# Altium PCB eBox.PcbDoc (part 1 of 4)
Units mm, origin at the board's own origin, x right, y up, seen from the top; angles counter-clockwise.
Board outline 250 x 200 mm, 2 copper layers (Top Layer, Bottom Layer), stack 1.58 mm thick; 518 components, 309 nets, 1482 pads, 776 vias.
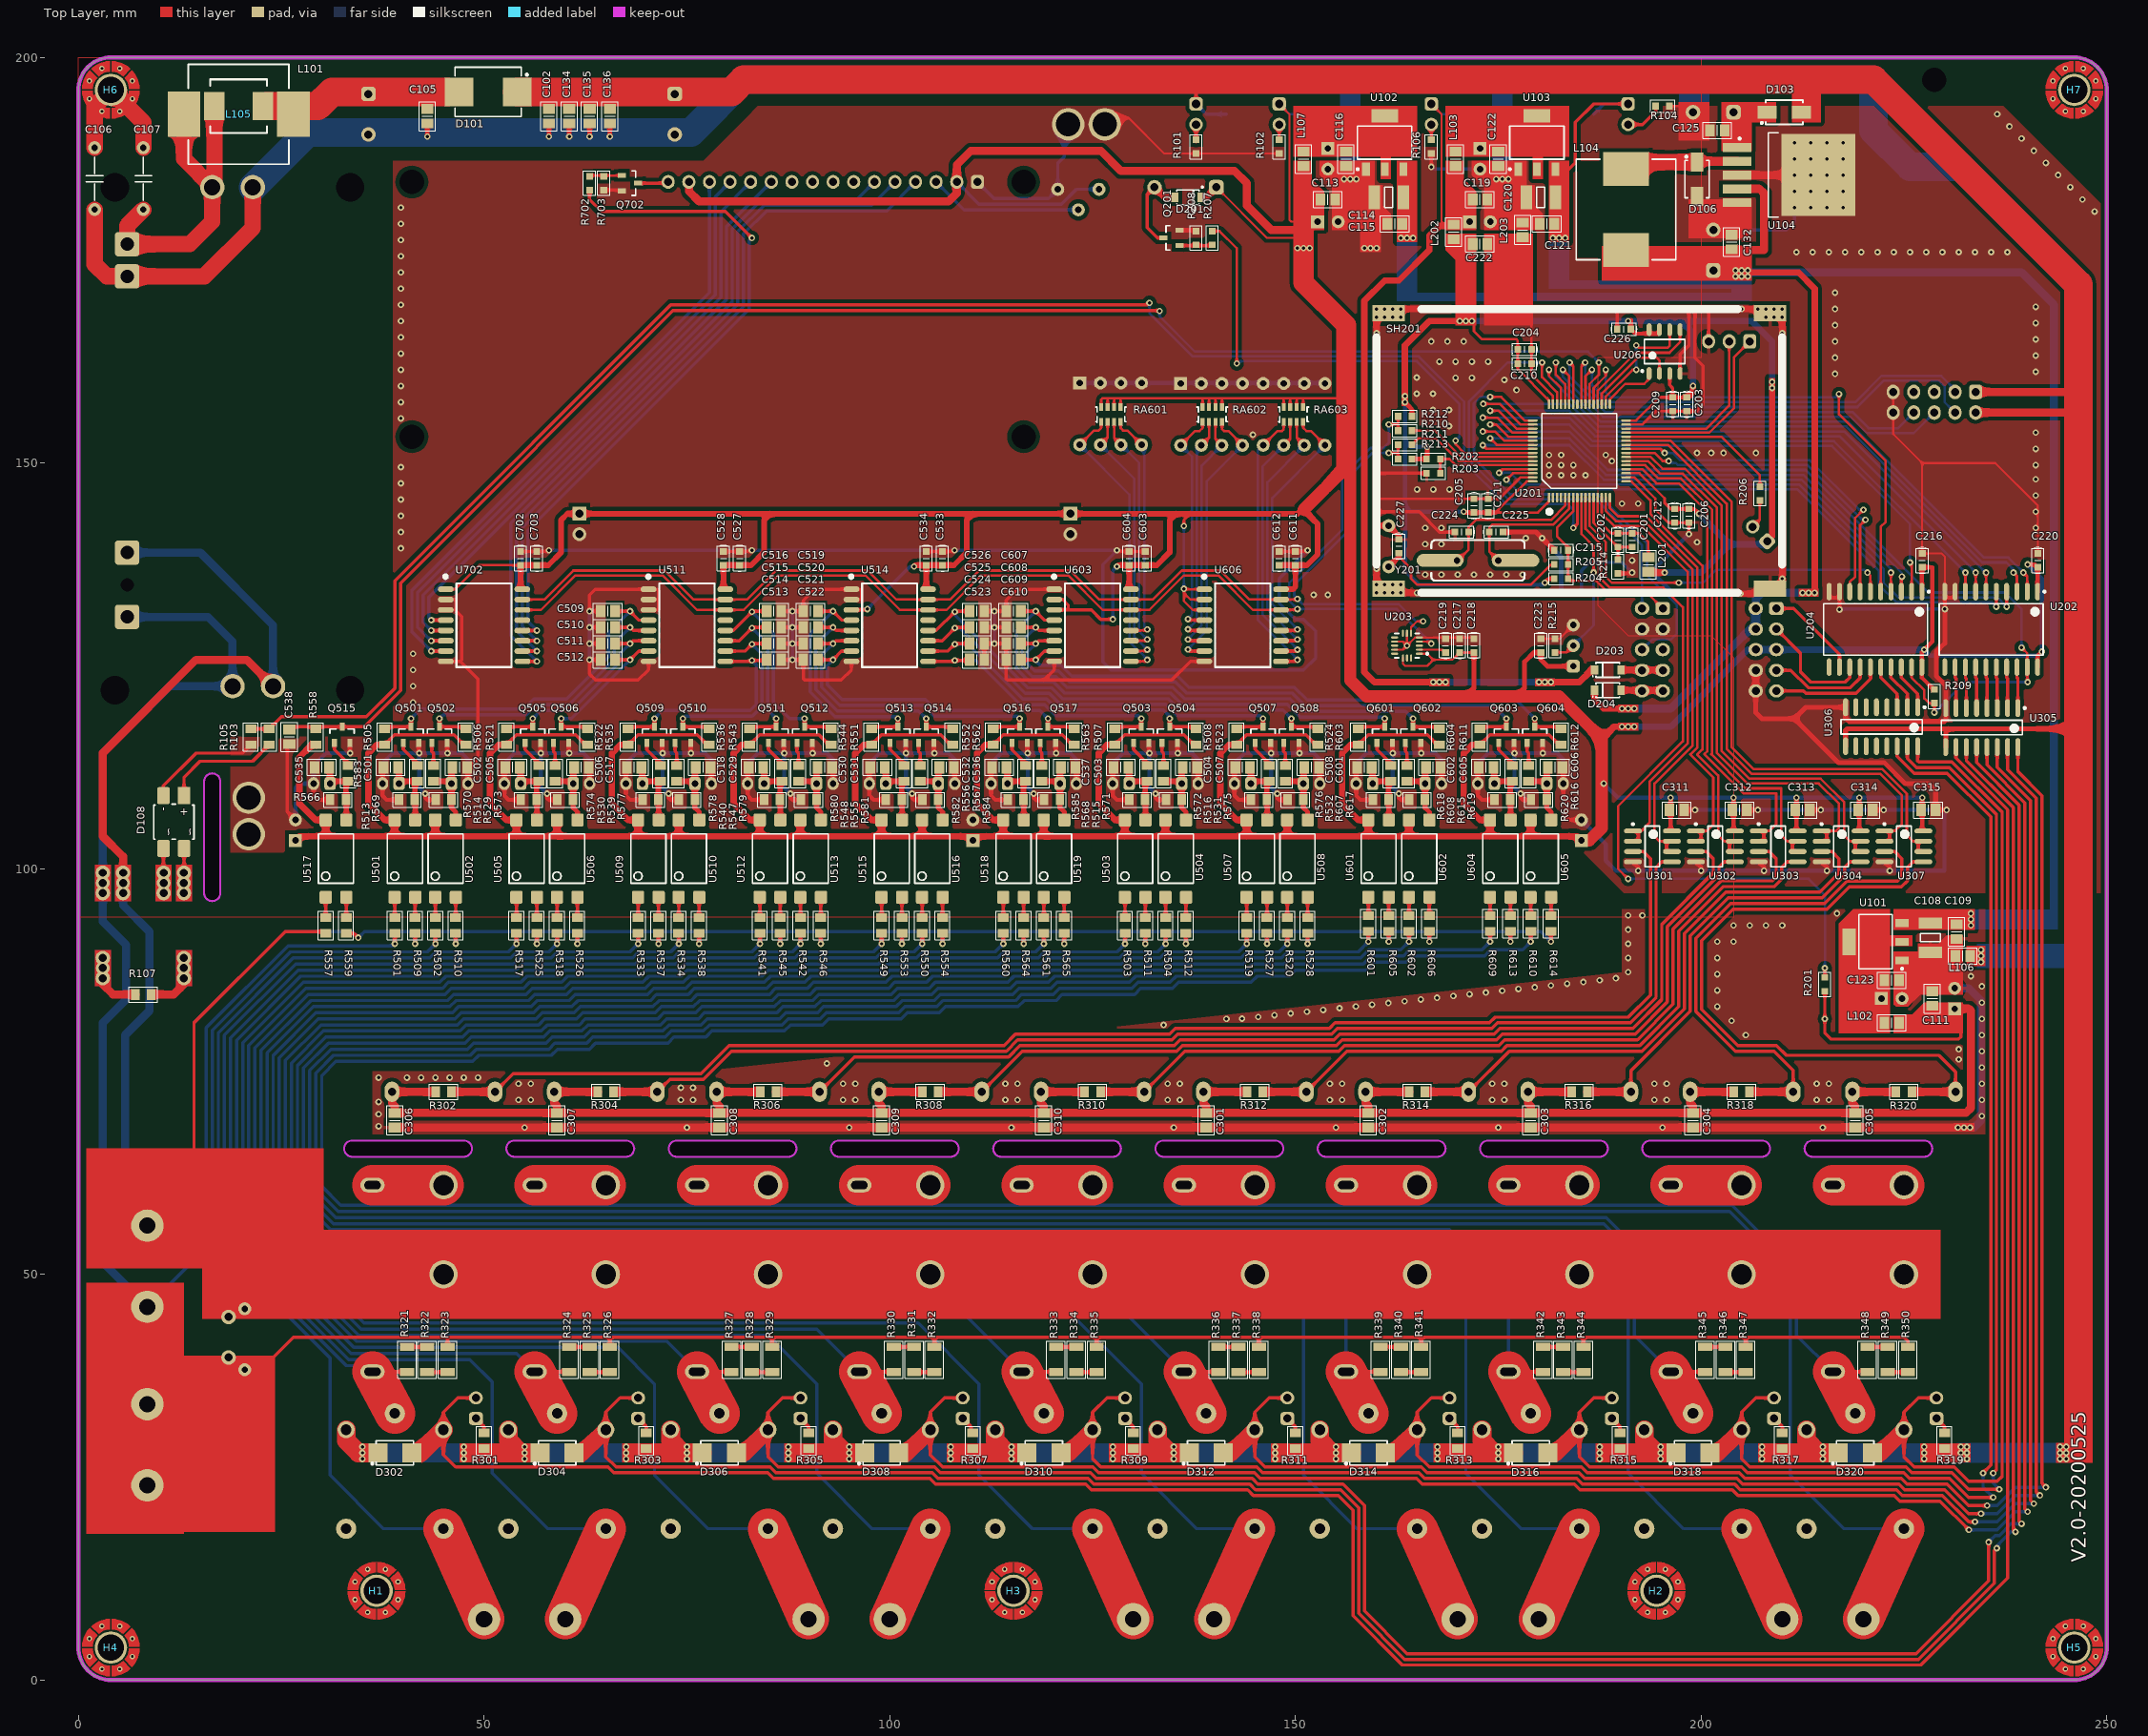
[diagram p0: Top Layer view]
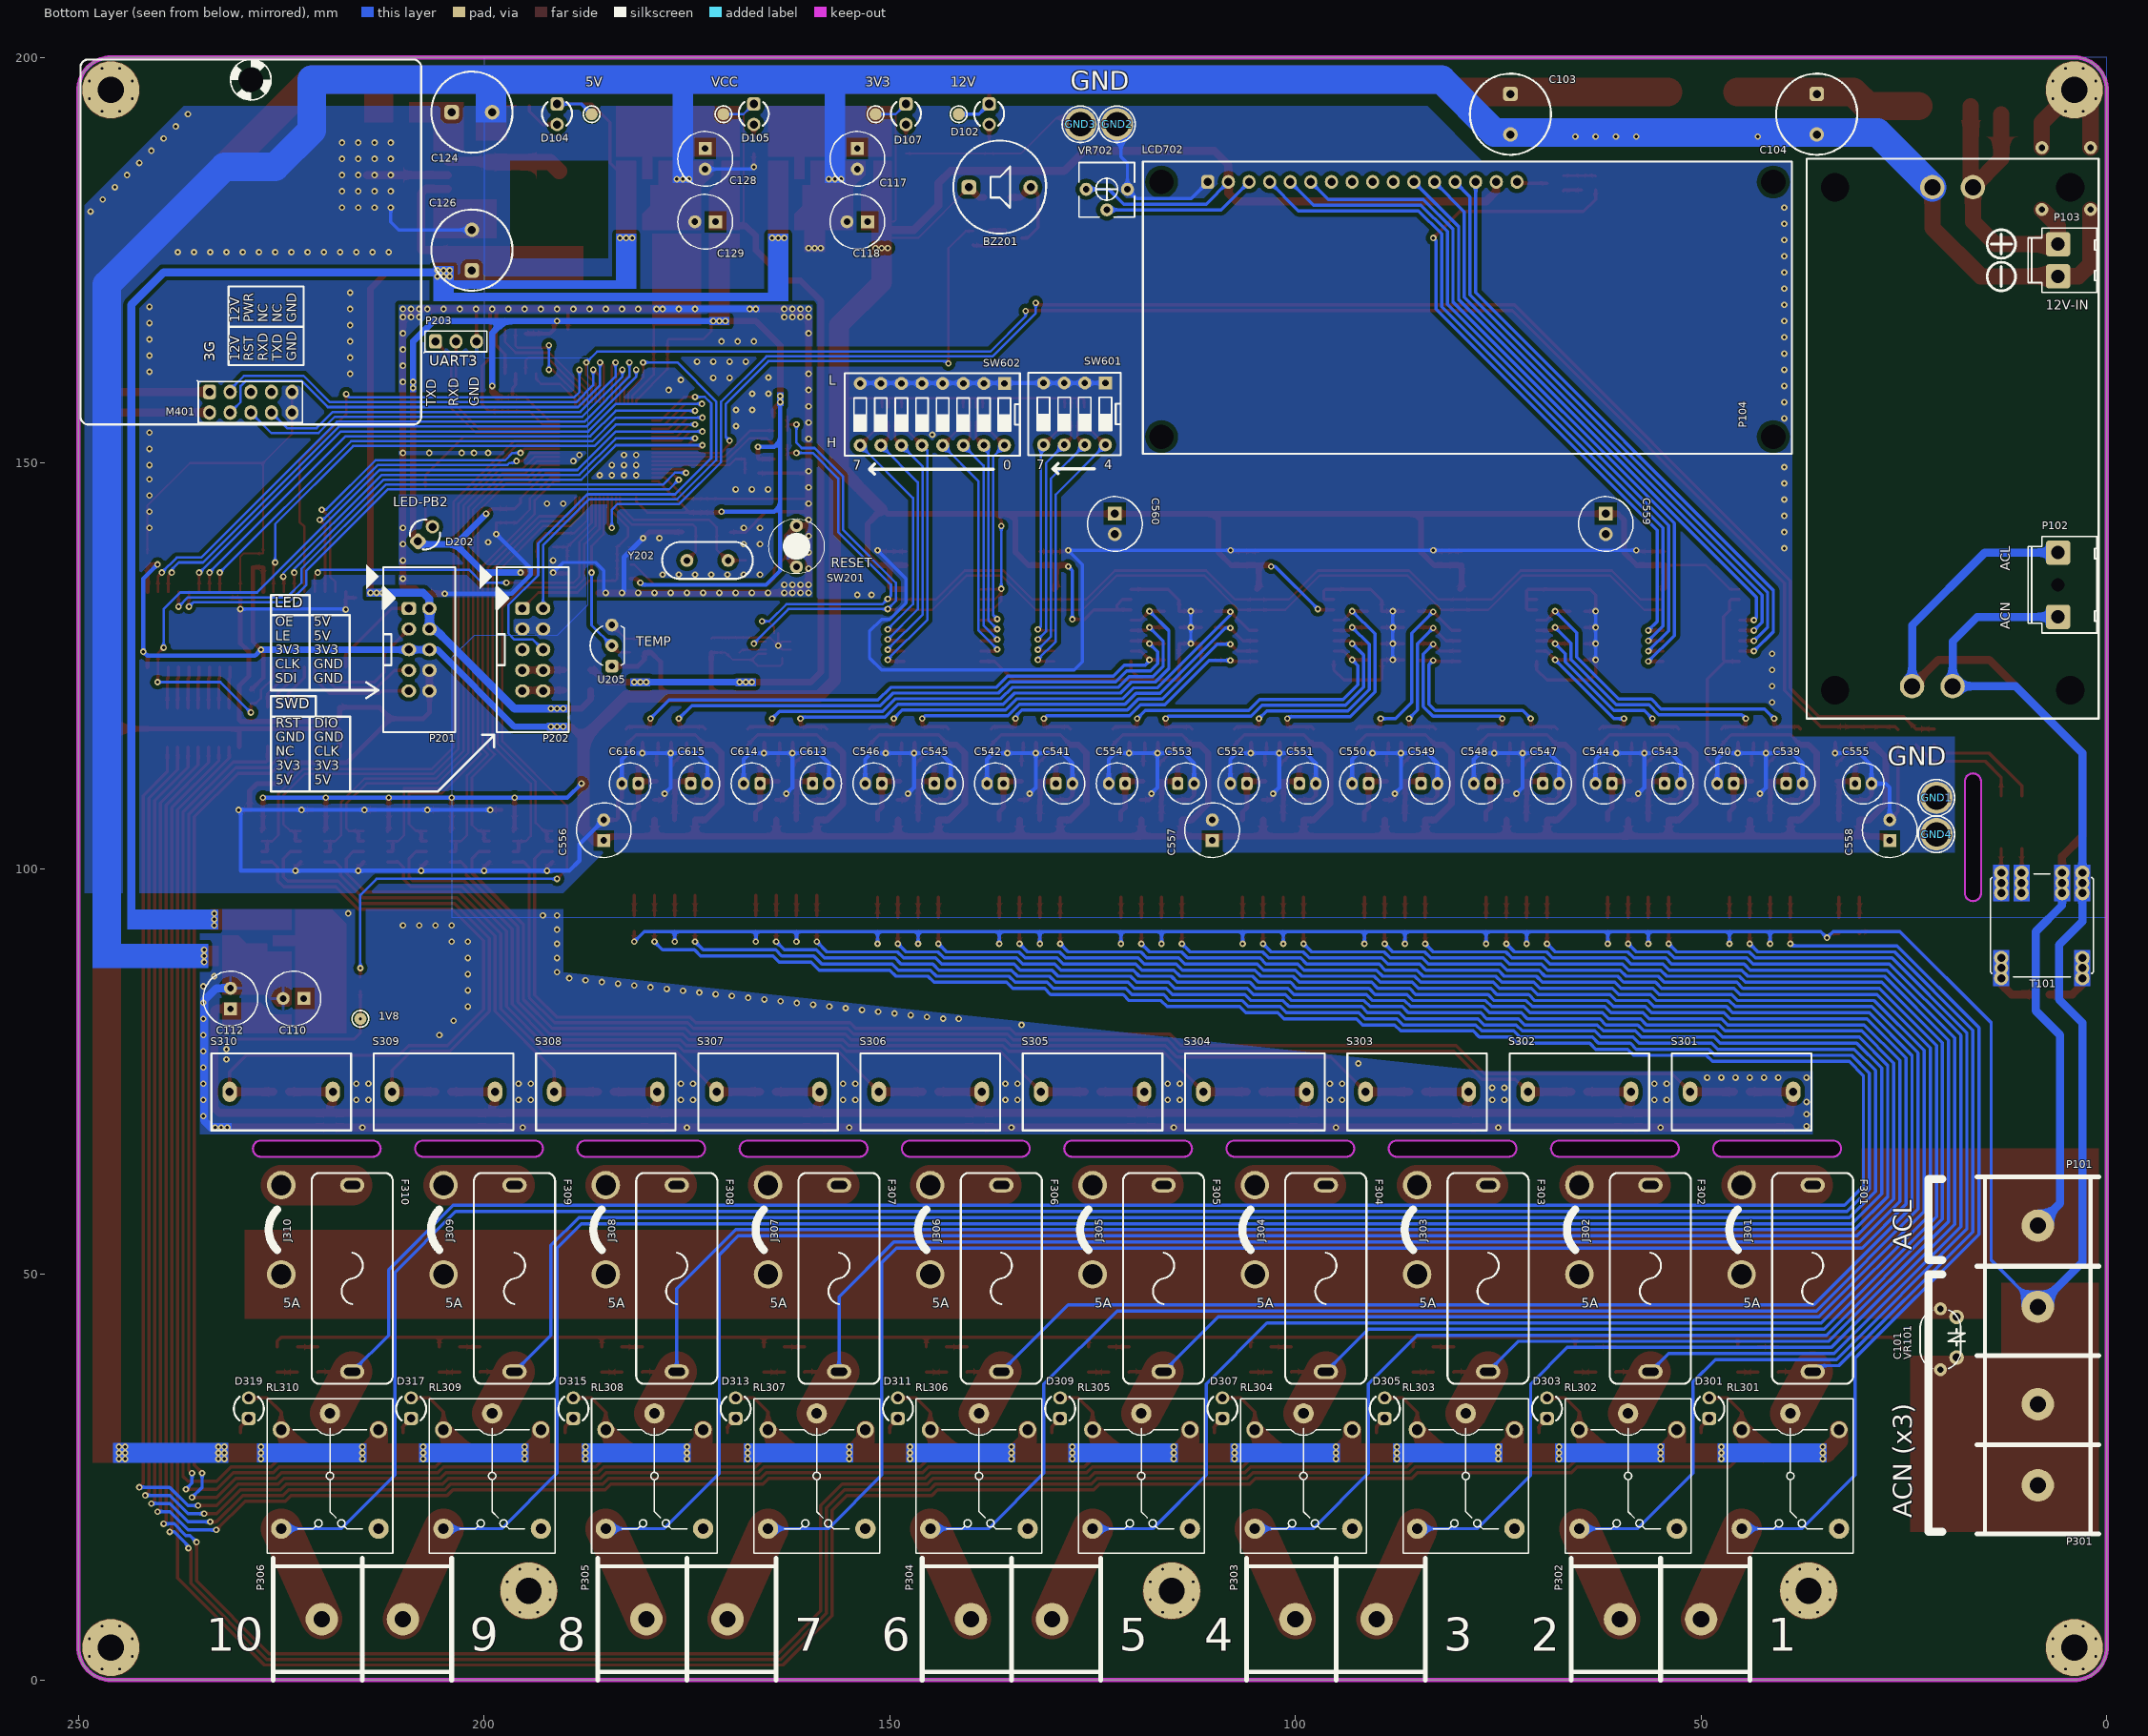
[diagram p1: Bottom Layer view, seen from below]

## Layer stack, top to bottom
Top Solder: solder mask 0.0102, Solder Resist, Dk 3.5
Top Layer: signal copper 0.0356
Dielectric 1: dielectric 1.5085, FR-4, Dk 4.8
Bottom Layer: signal copper 0.0356
Bottom Solder: solder mask 0.0102, Solder Resist, Dk 3.5

## Board outline
0,4 0,196 cw(c4,196) 4,200 246,200 cw(c246,196) 250,196 250,4 cw(c246,4) 246,0 4,0 cw(c4,4)
cut-out: 15.5,97 15.5,110.75 cw(c16.5,110.75) 16.5,111.75 cw(c16.5,110.75) 17.5,110.75 17.5,97 cw(c16.5,97) 16.5,96 cw(c16.5,97)
cut-out: 213.75,66.5 227.5,66.5 cw(c227.5,65.5) 228.5,65.5 cw(c227.5,65.5) 227.5,64.5 213.75,64.5 cw(c213.75,65.5) 212.75,65.5 cw(c213.75,65.5)
cut-out: 193.75,66.5 207.5,66.5 cw(c207.5,65.5) 208.5,65.5 cw(c207.5,65.5) 207.5,64.5 193.75,64.5 cw(c193.75,65.5) 192.75,65.5 cw(c193.75,65.5)
cut-out: 173.75,66.5 187.5,66.5 cw(c187.5,65.5) 188.5,65.5 cw(c187.5,65.5) 187.5,64.5 173.75,64.5 cw(c173.75,65.5) 172.75,65.5 cw(c173.75,65.5)
cut-out: 153.75,66.5 167.5,66.5 cw(c167.5,65.5) 168.5,65.5 cw(c167.5,65.5) 167.5,64.5 153.75,64.5 cw(c153.75,65.5) 152.75,65.5 cw(c153.75,65.5)
cut-out: 133.75,66.5 147.5,66.5 cw(c147.5,65.5) 148.5,65.5 cw(c147.5,65.5) 147.5,64.5 133.75,64.5 cw(c133.75,65.5) 132.75,65.5 cw(c133.75,65.5)
cut-out: 113.75,66.5 127.5,66.5 cw(c127.5,65.5) 128.5,65.5 cw(c127.5,65.5) 127.5,64.5 113.75,64.5 cw(c113.75,65.5) 112.75,65.5 cw(c113.75,65.5)
cut-out: 93.75,66.5 107.5,66.5 cw(c107.5,65.5) 108.5,65.5 cw(c107.5,65.5) 107.5,64.5 93.75,64.5 cw(c93.75,65.5) 92.75,65.5 cw(c93.75,65.5)
cut-out: 73.75,66.5 87.5,66.5 cw(c87.5,65.5) 88.5,65.5 cw(c87.5,65.5) 87.5,64.5 73.75,64.5 cw(c73.75,65.5) 72.75,65.5 cw(c73.75,65.5)
cut-out: 53.75,66.5 67.5,66.5 cw(c67.5,65.5) 68.5,65.5 cw(c67.5,65.5) 67.5,64.5 53.75,64.5 cw(c53.75,65.5) 52.75,65.5 cw(c53.75,65.5)
cut-out: 33.75,66.5 47.5,66.5 cw(c47.5,65.5) 48.5,65.5 cw(c47.5,65.5) 47.5,64.5 33.75,64.5 cw(c33.75,65.5) 32.75,65.5 cw(c33.75,65.5)

## Design rules (kind name [scope] priority, off if disabled: settings)
Clearance Clearance_2 [InNet('ACL*') OR InNet('ACN*')] p1: gap=0.35
Clearance Clearance_1 [InPolygon] p2: gap=0.5
Clearance [All] p3: gap=0.3
PolygonConnect PolygonConnect_2 [InNet('GND')] p1: connectstyle=Direct reliefconductorwidth=0.254 reliefentries=4 polygonreliefangle="90 Angle" airgapwidth=0.254
PolygonConnect PolygonConnect_1 [IsVia] p2: connectstyle=Direct reliefconductorwidth=0.254 reliefentries=4 polygonreliefangle="90 Angle" airgapwidth=0.254
PolygonConnect [All] p3: connectstyle=Relief reliefconductorwidth=0.381 reliefentries=4 polygonreliefangle="90 Angle" airgapwidth=0.635
RoutingVias [All] p1: holewidth=0.4 width=0.8 viastyle="Through Hole" minholewidth=0.3 minwidth=0.6 maxholewidth=2 maxwidth=5
SolderMaskExpansion [All] p1: expansion=0.102
Width [All] p1: maxlimit=50 minlimit=0.2 preferedwidth=0.3
30 further rules are at their usual default settings.

## Components (designator, comment, footprint, x,y, rotation, side; value= is the part's Value field where it differs from the comment)
1V8 "Test Point" TestPoint/SMD/1.5mm 215.25,81.5 r180 bottom
3V3 "Test Point" TestPoint/SMD/1.5mm 151.75,193 r180 bottom
5V "Test Point" TestPoint/SMD/1.5mm 186.75,193 r270 bottom
12V "Test Point" TestPoint/SMD/1.5mm 141.5,193 r0 bottom
BZ201 "Buzzer" BUZZER 140.25,184 r180 bottom
C101 "C" "CAP Ceramic/D7.0/F7.5" 20.5,42 r270 bottom
C102 "0.1uF" "C 0805" 58,192.75 r270 top
C103 "1000uF/25V" CAP/D100/H200/LS50 73.5,193 r270 bottom
C104 "NA" CAP/D100/H200/LS50 35.75,193 r270 bottom
C105 "NA" "C 0805" 43,192.75 r270 top
C106 "1000pF" "CAP Ceramic/W300" 2,181.25 r90 top
C107 "1000pF" "CAP Ceramic/W300" 8,181.25 r90 top
C108 "22uF" "C 1210" 228.25,91.5 r270 top
C109 "0.1uF" "C 0805" 231.5,92.25 r270 top
C110 "220uF/16V" CYL/D.250/LS.100#1 223.5,84 r0 bottom
C111 "0.1uF" "C 0805" 228.5,84 r90 top
C112 "220uF/16V" CYL/D.250/LS.100#1 231.25,84 r90 bottom
C113 "0.1uF" "C 0805" 154,182.5 r0 top
C114 "22uF" "C 1210" 161.5,182.75 r180 top
C115 "0.1uF" "C 0805" 162.25,179.5 r180 top
C116 "0.1uF" "C 0805" 156.25,187.5 r270 top
C117 "220uF/16V" CYL/D.250/LS.100#1 154,187.5 r270 bottom
C118 "220uF/16V" CYL/D.250/LS.100#1 154,179.75 r0 bottom
C119 "0.1uF" "C 0805" 172.75,182.5 r0 top
C120 "22uF" "C 1210" 180.25,182.75 r180 top
C121 "0.1uF" "C 0805" 181,179.5 r180 top
C122 "0.1uF" "C 0805" 175,187.5 r270 top
C123 "0.1uF" "C 0805" 223.5,86.25 r0 top
C124 "1000uF/25V" CAP/D100/H200/LS50 201.5,193.25 r180 bottom
C125 "0.1uF" "C 0805" 202,191 r180 top
C126 "1000uF/16V" CAP/D100/H200/LS50 201.5,176.25 r90 bottom
C128 "220uF/16V" CYL/D.250/LS.100#1 172.75,187.5 r270 bottom
C129 "220uF/16V" CYL/D.250/LS.100#1 172.75,179.75 r0 bottom
C132 "0.1uF" "C 0805" 203.75,177.25 r90 top
C134 "0.1uF" "C 0805" 60.5,192.75 r270 top
C135 "0.1uF" "C 0805" 63,192.75 r270 top
C136 "0.1uF" "C 0805" 65.5,192.75 r270 top
C201 "0.1uF" "C 0603" 191.5,140.5 r270 top
C202 "1000pF" "C 0603" 189.75,140.5 r270 top
C203 "0.1uF" "C 0603" 198.25,157.25 r270 top
C204 "0.1uF" "C 0603" 178.25,164 r0 top
C205 "0.1uF" "C 0603" 172,144.75 r90 top
C206 "0.1uF" "C 0603" 198.5,143.5 r270 top
C209 "1000pF" "C 0603" 196.5,157.25 r270 top
C210 "1000pF" "C 0603" 178.25,162.25 r0 top
C211 "1000pF" "C 0603" 173.75,144.75 r90 top
C212 "1000pF" "C 0603" 196.75,143.5 r270 top
C215 "0.1uF" "C 0603" 182.75,139.25 r180 top
C216 "0.1uF" "C 0603" 227.25,138 r90 top
C217 "0.1uF" "C 0603" 170.25,127.5 r90 top
C218 "4.7uF" "C 0603" 172,127.5 r90 top
C219 "0.1uF" "C 0603" 168.5,127.5 r90 top
C220 "0.1uF" "C 0603" 241.5,138 r90 top
C222 "0.1uF" "C 0805" 172.75,177 r0 top
C223 "0.1uF" "C 0603" 180.25,127.5 r90 top
C224 "20pF" "C 0603" 170.5,141.5 r180 top
C225 "20pF" "C 0603" 174.75,141.5 r0 top
C226 "0.1uF" "C 0603" 190.5,166.5 r180 top
C227 "0.1uF" "C 0603" 162.75,139.75 r90 top
C301 "10uF" "C 0805" 139,69 r270 top
C302 "10uF" "C 0805" 159,69 r270 top
C303 "10uF" "C 0805" 179,69 r270 top
C304 "10uF" "C 0805" 199,69 r270 top
C305 "10uF" "C 0805" 219,69 r270 top
C306 "10uF" "C 0805" 39,69 r270 top
C307 "10uF" "C 0805" 59,69 r270 top
C308 "10uF" "C 0805" 79,69 r270 top
C309 "10uF" "C 0805" 99,69 r270 top
C310 "10uF" "C 0805" 119,69 r270 top
C311 "0.1uF" "C 0805" 197,107.25 r0 top
C312 "0.1uF" "C 0805" 204.75,107.25 r0 top
C313 "0.1uF" "C 0805" 212.5,107.25 r0 top
C314 "0.1uF" "C 0805" 220.25,107.25 r0 top
C315 "0.1uF" "C 0805" 228,107.25 r0 top
C501 "10uF" "C 0805" 38.5,112.5 r180 top
C502 "10uF" "C 0805" 47,112.5 r0 top
C503 "10uF" "C 0805" 128.5,112.5 r180 top
C504 "10uF" "C 0805" 137,112.5 r0 top
C505 "10uF" "C 0805" 53.5,112.5 r180 top
C506 "10uF" "C 0805" 62,112.5 r0 top
C507 "10uF" "C 0805" 143.5,112.5 r180 top
C508 "10uF" "C 0805" 152,112.5 r0 top
C509 "0.1uF" "C 0805" 65.25,131.75 r0 top
C510 "0.1uF" "C 0805" 65.25,129.75 r0 top
C511 "0.1uF" "C 0805" 65.25,127.75 r0 top
C512 "0.1uF" "C 0805" 65.25,125.75 r0 top
C513 "0.1uF" "C 0805" 85.75,125.75 r180 top
C514 "0.1uF" "C 0805" 85.75,127.75 r180 top
C515 "0.1uF" "C 0805" 85.75,129.75 r180 top
C516 "0.1uF" "C 0805" 85.75,131.75 r180 top
C517 "10uF" "C 0805" 68.5,112.5 r180 top
C518 "10uF" "C 0805" 77,112.5 r0 top
C519 "0.1uF" "C 0805" 90.25,131.75 r0 top
C520 "0.1uF" "C 0805" 90.25,129.75 r0 top
C521 "0.1uF" "C 0805" 90.25,127.75 r0 top
C522 "0.1uF" "C 0805" 90.25,125.75 r0 top
C523 "0.1uF" "C 0805" 110.75,125.75 r180 top
C524 "0.1uF" "C 0805" 110.75,127.75 r180 top
C525 "0.1uF" "C 0805" 110.75,129.75 r180 top
C526 "0.1uF" "C 0805" 110.75,131.75 r180 top
C527 "0.1uF" "C 0603" 81.5,138.25 r90 top
C528 "4.7uF" "C 0603" 79.5,138.25 r90 top
C529 "10uF" "C 0805" 83.5,112.5 r180 top
C530 "10uF" "C 0805" 92,112.5 r0 top
C531 "10uF" "C 0805" 98.5,112.5 r180 top
C532 "10uF" "C 0805" 107,112.5 r0 top
C533 "0.1uF" "C 0603" 106.5,138.25 r90 top
C534 "4.7uF" "C 0603" 104.5,138.25 r90 top
C535 "10uF" "C 0805" 30,112.5 r180 top
C536 "10uF" "C 0805" 113.5,112.5 r180 top
C537 "10uF" "C 0805" 122,112.5 r0 top
C538 "0.1uF" "C 0805" 26,116.25 r90 top
C539 "100uF/16V" CYL/D.200/LS.75 38.5,110.5 r180 bottom
C540 "100uF/16V" CYL/D.200/LS.75 47,110.5 r0 bottom
C541 "100uF/16V" CYL/D.200/LS.75 128.5,110.5 r180 bottom
C542 "100uF/16V" CYL/D.200/LS.75 137,110.5 r0 bottom
C543 "100uF/16V" CYL/D.200/LS.75 53.5,110.5 r180 bottom
C544 "100uF/16V" CYL/D.200/LS.75 62,110.5 r0 bottom
C545 "100uF/16V" CYL/D.200/LS.75 143.5,110.5 r180 bottom
C546 "100uF/16V" CYL/D.200/LS.75 152,110.5 r0 bottom
C547 "100uF/16V" CYL/D.200/LS.75 68.5,110.5 r180 bottom
C548 "100uF/16V" CYL/D.200/LS.75 77,110.5 r0 bottom
C549 "100uF/16V" CYL/D.200/LS.75 83.5,110.5 r180 bottom
C550 "100uF/16V" CYL/D.200/LS.75 92,110.5 r0 bottom
C551 "100uF/16V" CYL/D.200/LS.75 98.5,110.5 r180 bottom
C552 "100uF/16V" CYL/D.200/LS.75 107,110.5 r0 bottom
C553 "100uF/16V" CYL/D.200/LS.75 113.5,110.5 r180 bottom
C554 "100uF/16V" CYL/D.200/LS.75 122,110.5 r0 bottom
C555 "100uF/16V" CYL/D.200/LS.75 30,110.5 r180 bottom
C556 "220uF/16V" CYL/D.250/LS.100#1 185.25,104.75 r90 bottom
C557 "220uF/16V" CYL/D.250/LS.100#1 110.25,104.75 r90 bottom
C558 "220uF/16V" CYL/D.250/LS.100#1 26.75,104.75 r90 bottom
C559 "220uF/16V" CYL/D.250/LS.100#2 61.75,142.5 r270 bottom
C560 "220uF/16V" CYL/D.250/LS.100#2 122.25,142.5 r270 bottom
C601 "10uF" "C 0805" 158.5,112.5 r180 top
C602 "10uF" "C 0805" 167,112.5 r0 top
C603 "0.1uF" "C 0603" 131.5,138.25 r90 top
C604 "4.7uF" "C 0603" 129.5,138.25 r90 top
C605 "10uF" "C 0805" 173.5,112.5 r180 top
C606 "10uF" "C 0805" 182,112.5 r0 top
C607 "0.1uF" "C 0805" 115.25,131.75 r0 top
C608 "0.1uF" "C 0805" 115.25,129.75 r0 top
C609 "0.1uF" "C 0805" 115.25,127.75 r0 top
C610 "0.1uF" "C 0805" 115.25,125.75 r0 top
C611 "0.1uF" "C 0603" 150,138.25 r90 top
C612 "4.7uF" "C 0603" 148,138.25 r90 top
C613 "100uF/16V" CYL/D.200/LS.75 158.5,110.5 r180 bottom
C614 "100uF/16V" CYL/D.200/LS.75 167,110.5 r0 bottom
C615 "100uF/16V" CYL/D.200/LS.75 173.5,110.5 r180 bottom
C616 "100uF/16V" CYL/D.200/LS.75 182,110.5 r0 bottom
C702 "0.1uF" "C 0603" 54.5,138.25 r90 top
C703 "4.7uF" "C 0603" 56.5,138.25 r90 top
D101 "SS34" "DO-214AB (SMC)" 50.5,195.75 r0 top
D102 "5V Led" "LED 3MM - red" 137.75,193 r270 bottom
D103 "SS34" "DO-214AC (SMA) L"#1 210.25,193.25 r180 top
D104 "5V Led" "LED 3MM - red" 191,193 r270 bottom
D105 "5V Led" "LED 3MM - red" 166.75,193 r270 bottom
D106 "SS34" "DO-214AC (SMA) L"#1 199.5,185 r90 top
D107 "5V Led" "LED 3MM - red" 148,193 r270 bottom
D108 "DIODE BRIDGE" DiodeBridge-SOIC4 11.75,105.75 r270 top
D201 "MBR0520T1G" "Diode SOD-123" 136.75,182.75 r0 top
D202 "5V Led" "LED 3MM - blue" 207.25,141.25 r135 bottom
D203 "MBR0520" SOD123 188.5,124.5 r180 top
D204 "MBR0520" SOD123 188.5,122 r180 top
D301 "Led" "LED 3MM - green" 49,33.5 r90 bottom
D302 "SS14" "DO-214AC (SMA) L"#2 39,28 r180 top
D303 "Led" "LED 3MM - green" 69,33.5 r90 bottom
D304 "SS14" "DO-214AC (SMA) L"#2 59,28 r180 top
D305 "Led" "LED 3MM - green" 89,33.5 r90 bottom
D306 "SS14" "DO-214AC (SMA) L"#2 79,28 r180 top
D307 "Led" "LED 3MM - green" 109,33.5 r90 bottom
D308 "SS14" "DO-214AC (SMA) L"#2 99,28 r180 top
D309 "Led" "LED 3MM - green" 129,33.5 r90 bottom
D310 "SS14" "DO-214AC (SMA) L"#2 119,28 r180 top
D311 "Led" "LED 3MM - green" 149,33.5 r90 bottom
D312 "SS14" "DO-214AC (SMA) L"#2 139,28 r180 top
D313 "Led" "LED 3MM - green" 169,33.5 r90 bottom
D314 "SS14" "DO-214AC (SMA) L"#2 159,28 r180 top
D315 "Led" "LED 3MM - green" 189,33.5 r90 bottom
D316 "SS14" "DO-214AC (SMA) L"#2 179,28 r180 top
D317 "Led" "LED 3MM - green" 209,33.5 r90 bottom
D318 "SS14" "DO-214AC (SMA) L"#2 199,28 r180 top
D319 "Led" "LED 3MM - green" 229,33.5 r90 bottom
D320 "SS14" "DO-214AC (SMA) L"#2 219,28 r180 top
F301 "Fuse" "FUSE 2 DIP 0520 BOX" 36.25,49.5 r90 bottom
F302 "Fuse" "FUSE 2 DIP 0520 BOX" 56.25,49.5 r90 bottom
F303 "Fuse" "FUSE 2 DIP 0520 BOX" 76.25,49.5 r90 bottom
F304 "Fuse" "FUSE 2 DIP 0520 BOX" 96.25,49.5 r90 bottom
F305 "Fuse" "FUSE 2 DIP 0520 BOX" 116.25,49.5 r90 bottom
F306 "Fuse" "FUSE 2 DIP 0520 BOX" 136.25,49.5 r90 bottom
F307 "Fuse" "FUSE 2 DIP 0520 BOX" 156.25,49.5 r90 bottom
F308 "Fuse" "FUSE 2 DIP 0520 BOX" 176.25,49.5 r90 bottom
F309 "Fuse" "FUSE 2 DIP 0520 BOX" 196.25,49.5 r90 bottom
F310 "Fuse" "FUSE 2 DIP 0520 BOX" 216.25,49.5 r90 bottom
GND1 "Test Point" TESTPOINT/1/Black 21,108.75 r270 bottom
GND2 "Test Point" TESTPOINT/1/Black 122,191.75 r90 bottom
GND3 "Test Point" TESTPOINT/1/Black 126.5,191.75 r90 bottom
GND4 "Test Point" TESTPOINT/1/Black 21,104.25 r270 bottom
H1 "Screw Hole" SCREW/3.2/7.0/M 36.75,11 r0 top
H2 "Screw Hole" SCREW/3.2/7.0/M 194.5,11 r0 top
H3 "Screw Hole" SCREW/3.2/7.0/M 115.25,11 r0 top
H4 "Screw Hole" SCREW/3.2/7.0/M 4,4 r0 top
H5 "Screw Hole" SCREW/3.2/7.0/M 246,4 r0 top
H6 "Screw Hole" SCREW/3.2/7.0/M 4,196 r0 top
H7 "Screw Hole" SCREW/3.2/7.0/M 246,196 r0 top
J301 "JUMP 2 CUSTOM" JUMP/2/CUSTOM 45,54 r270 bottom
J302 "JUMP 2 CUSTOM" JUMP/2/CUSTOM 65,54 r270 bottom
J303 "JUMP 2 CUSTOM" JUMP/2/CUSTOM 85,54 r270 bottom
J304 "JUMP 2 CUSTOM" JUMP/2/CUSTOM 105,54 r270 bottom
J305 "JUMP 2 CUSTOM" JUMP/2/CUSTOM 125,54 r270 bottom
J306 "JUMP 2 CUSTOM" JUMP/2/CUSTOM 145,54 r270 bottom
J307 "JUMP 2 CUSTOM" JUMP/2/CUSTOM 165,54 r270 bottom
J308 "JUMP 2 CUSTOM" JUMP/2/CUSTOM 185,54 r270 bottom
J309 "JUMP 2 CUSTOM" JUMP/2/CUSTOM 205,54 r270 bottom
J310 "JUMP 2 CUSTOM" JUMP/2/CUSTOM 225,54 r270 bottom
L101 "33uH" "Inductor SMD 6.5x6.5x3.0" 19.75,194 r180 top
L102 "FB" "L 0805 (2012)" 223.5,81 r0 top
L103 "FB" "L 0805 (2012)" 169.75,187.5 r270 top
L104 "33uH" "Inductor SMD 12x12x8"#1 190.75,181.25 r270 top
L105 "33uH" "Inductor SMD 12x12x8"#2 19.75,193 r180 top
L106 "FB" "L 0805 (2012)" 232.25,89.25 r180 top
L107 "FB" "L 0805 (2012)" 151,187.5 r270 top
L201 "FB" "L 0805 (2012)" 193.5,137.5 r90 top
L202 "FB" "L 0805 (2012)" 169.5,178.5 r270 top
L203 "FB" "L 0805 (2012)" 178,178.75 r270 top
LCD702 "LCD 16x2" "LCD 1602A" 78.8,168.8 r180 bottom locked
M401 "EBOX_3G Module" EBOX_3G 228.75,157.5 r270 bottom locked
P101 "Header 2" HDR/TERMINAL/2/10MM 8.5,51 r90 bottom
P102 "Header 3" HDR/Header/3/VH 6,135 r270 bottom
P103 "Header 2" HDR/Header/2/VH 6,175 r270 bottom
P104 "AC-DC 12V2A" "AC-DC 12V2A" 19,153 r90 bottom locked
P201 "Header 5X2" HDR/Header/10/DL/BOX 208,127 r90 bottom
P202 "Header 5X2" HDR/Header/10/DL/BOX 194,127 r90 bottom
P203 "Debug Serial" HDR/Header/3 203.46,165 r180 bottom
P301 "Header 2" HDR/TERMINAL/2/10MM 8.5,29 r90 bottom
P302 "Header 2" HDR/TERMINAL/2/10MM 55,7.5 r180 bottom
P303 "Header 2" HDR/TERMINAL/2/10MM 95,7.5 r180 bottom
P304 "Header 2" HDR/TERMINAL/2/10MM 135,7.5 r180 bottom
P305 "Header 2" HDR/TERMINAL/2/10MM 175,7.5 r180 bottom
P306 "Header 2" HDR/TERMINAL/2/10MM 215,7.5 r180 bottom
Q201 "LMBT3904LT1G" SOT-23 134.75,177.75 r180 top
Q501 "MMBT3904LT1G" SOT-23 41,116.5 r90 top
Q502 "MMBT3904LT1G" SOT-23 44.5,116.5 r90 top
Q503 "MMBT3904LT1G" SOT-23 131,116.5 r90 top